# Altium PCB 滑板车模块 - 拼板.PcbDoc (part 7 of 8)
Units mm, origin at the board's own origin, x right, y up, seen from the top; angles counter-clockwise.
Board outline 16 x 13 mm, 2 copper layers (Top Layer, Bottom Layer); 420 components, 26 nets, 2088 pads, 620 vias.
Unrouted connection lines stored in the file: 114.
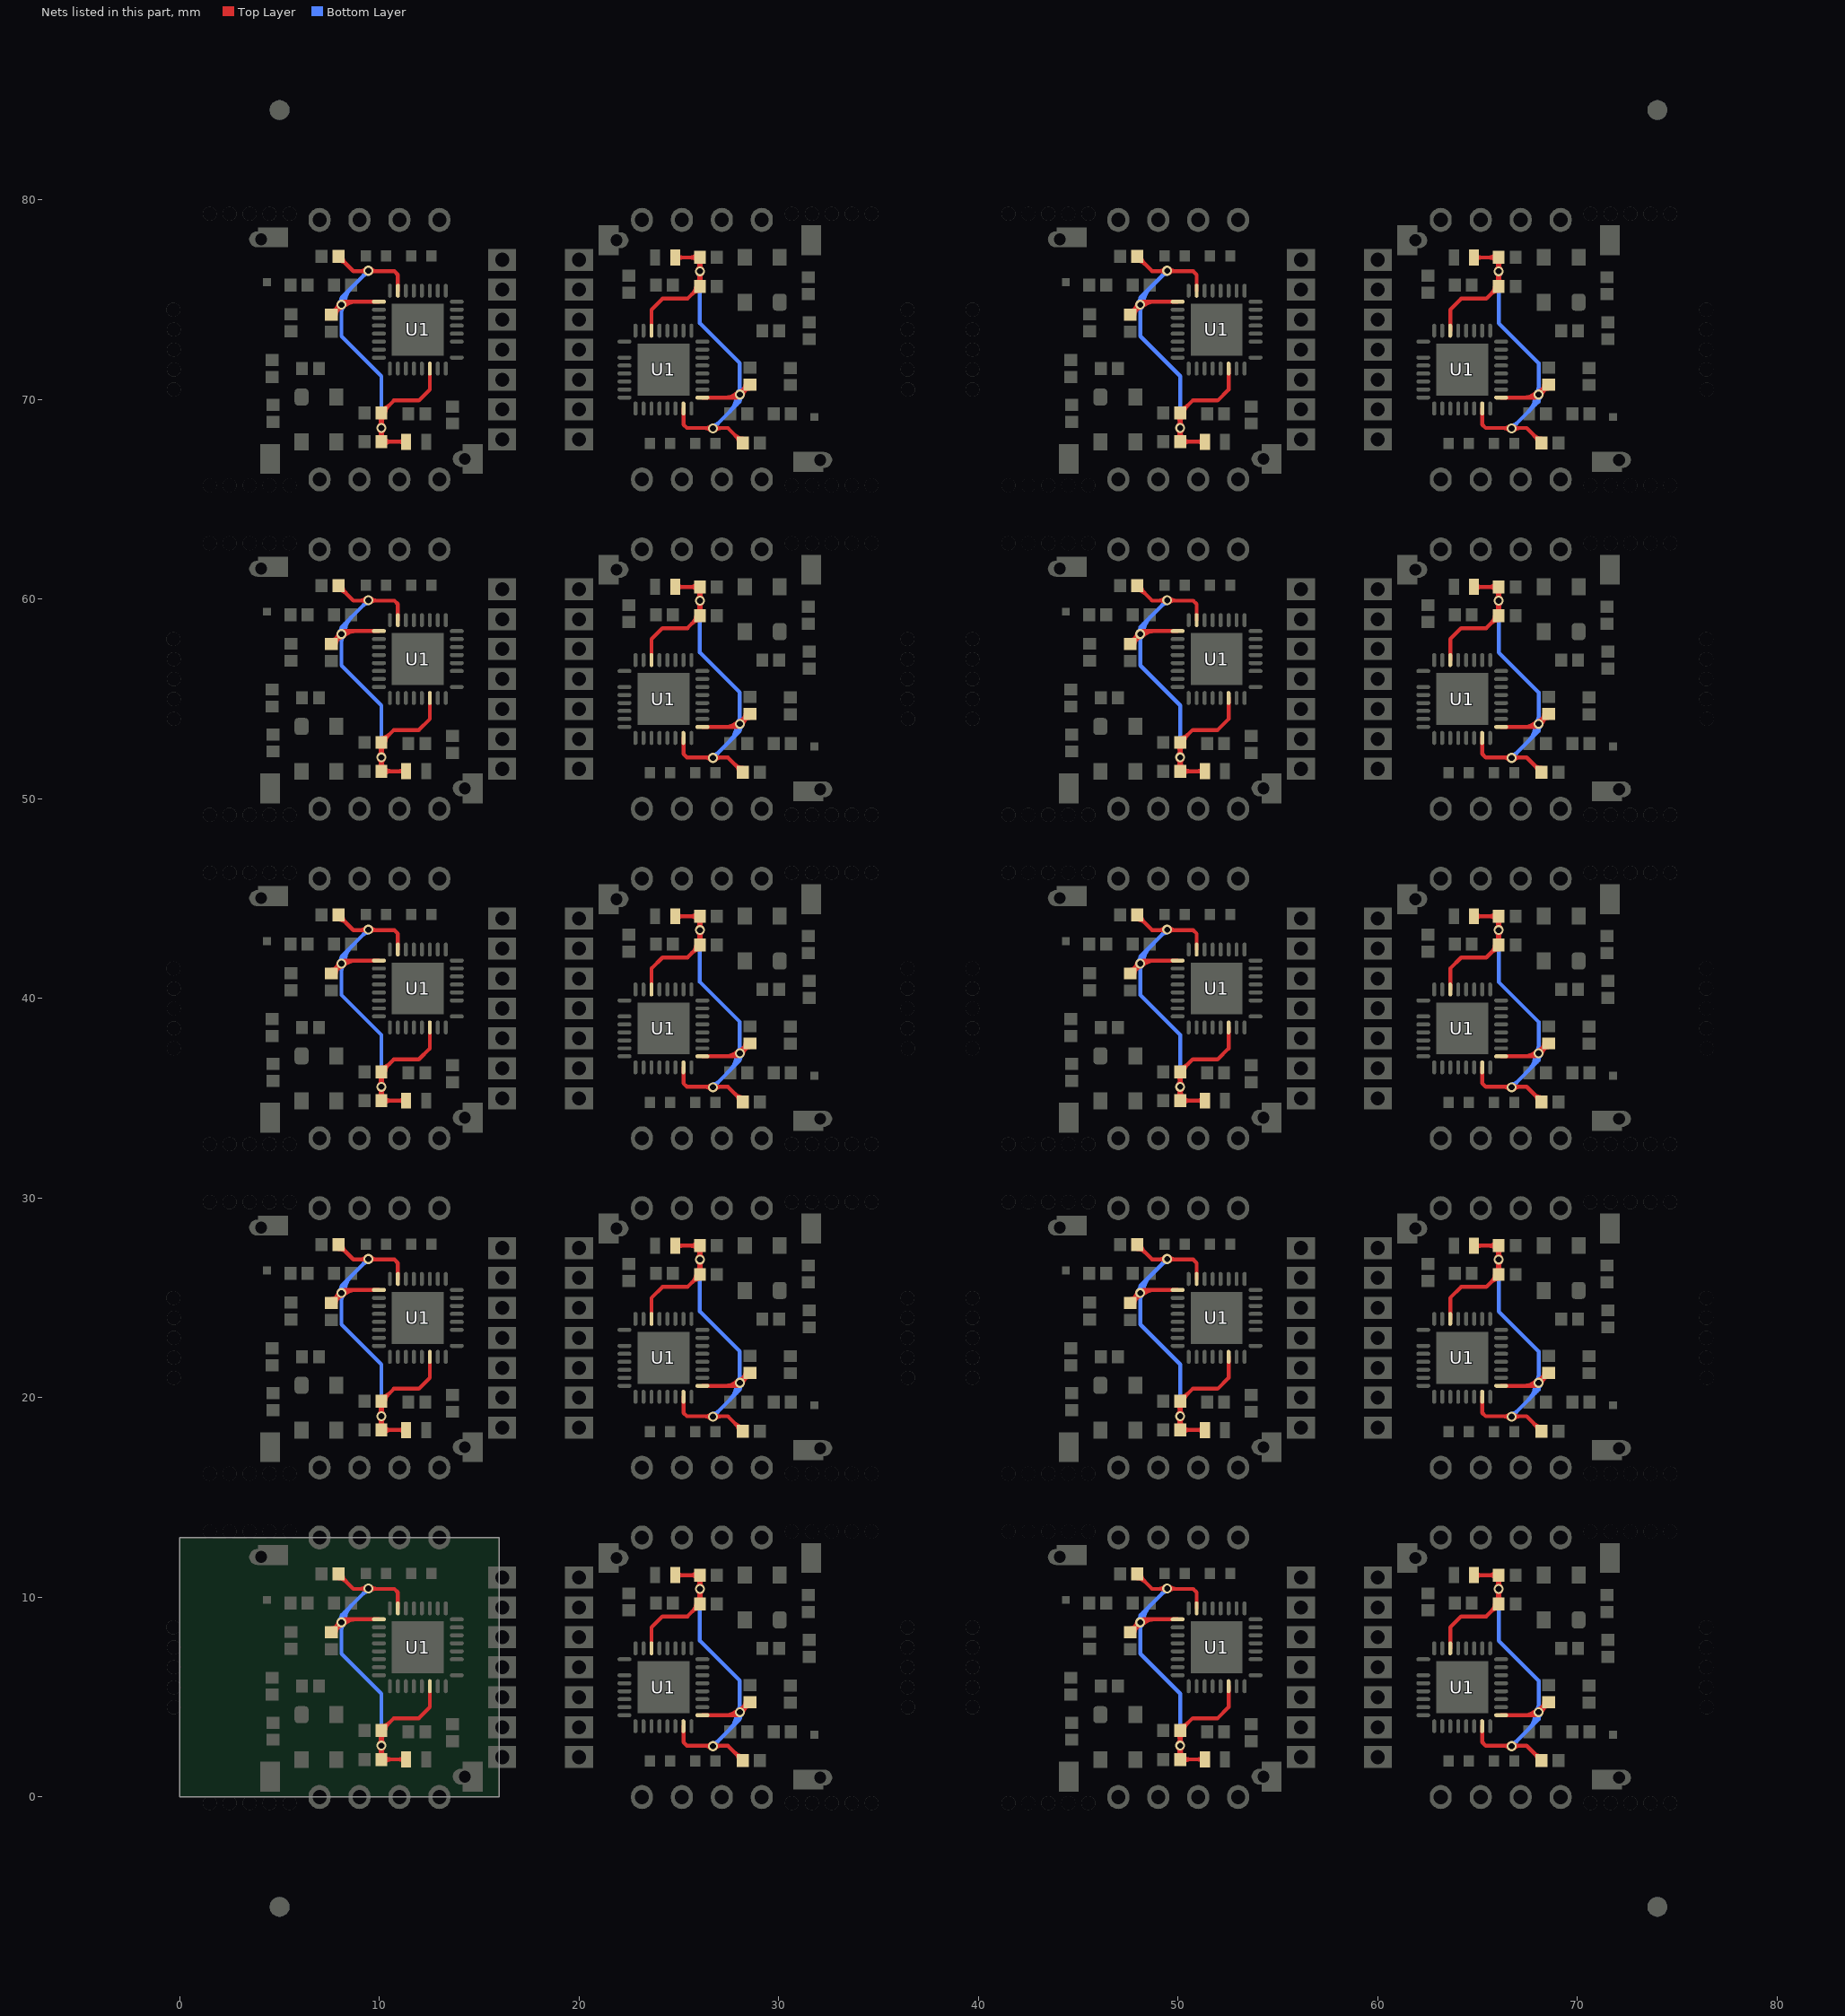
[diagram p7: the nets of this part, all layers, seen from the top]

## Via types
v1: diameter 0.5, hole 0.3, Top Layer to Bottom Layer, tented both sides, 620 vias

## Nets (pads, with @x,y where several pads share a name; then routed paths per layer and width w, separated by ;. In a path a pad name is that pad's centre, name@x,y a point inside that pad or via, vN(x,y) a via of type N, cw(c..) or ccw(c..) an arc to the next point about the centre after c; other vN are vias at no path point) (continued)
VD1V5: C1.2 C5.2 C10.1 C12.1 L1.2 U1.7 U1.9 U1.22 | length 757.2
  Top Layer w0.2: C10.1@7.6,8.25 v1(8.1,8.75) 8.25,8.9 U1.9@9.975,8.9 ; C10.1@7.6,24.75 v1(8.1,25.25) 8.25,25.4 U1.9@9.975,25.4 ; C10.1@7.6,41.25 v1(8.1,41.75) 8.25,41.9 U1.9@9.975,41.9 ; C10.1@7.6,57.75 v1(8.1,58.25) 8.25,58.4 U1.9@9.975,58.4 ; C10.1@7.6,74.25 v1(8.1,74.75) 8.25,74.9 U1.9@9.975,74.9 ; C10.1@7.625,8.45 ccw(c7.625,8.872) v1@7.924,8.574 ; C10.1@7.625,24.95 ccw(c7.625,25.372) v1@7.924,25.074 ; C10.1@7.625,41.45 ccw(c7.625,41.872) v1@7.924,41.574 ; C10.1@7.625,57.95 ccw(c7.625,58.372) v1@7.924,58.074 ; C10.1@7.625,74.45 ccw(c7.625,74.872) v1@7.924,74.574 ; C10.1@7.702,8.446 ccw(c7.436,8.907) v1@7.954,8.784 ; C10.1@7.702,24.946 ccw(c7.436,25.407) v1@7.954,25.284 ; C10.1@7.702,41.446 ccw(c7.436,41.907) v1@7.954,41.784 ; C10.1@7.702,57.946 ccw(c7.436,58.407) v1@7.954,58.284 ; C10.1@7.702,74.446 ccw(c7.436,74.907) v1@7.954,74.784 ; C10.1@7.825,8.25 cw(c8.368,8.25) v1@7.984,8.634 ; C10.1@7.825,24.75 cw(c8.368,24.75) v1@7.984,25.134 ; C10.1@7.825,41.25 cw(c8.368,41.25) v1@7.984,41.634 ; C10.1@7.825,57.75 cw(c8.368,57.75) v1@7.984,58.134 ; C10.1@7.825,74.25 cw(c8.368,74.25) v1@7.984,74.634 ; C10.1@7.831,8.369 cw(c8.269,8.117) v1@8.139,8.605 ; C10.1@7.831,24.869 cw(c8.269,24.617) v1@8.139,25.105 ; C10.1@7.831,41.369 cw(c8.269,41.117) v1@8.139,41.605 ; C10.1@7.831,57.869 cw(c8.269,57.617) v1@8.139,58.105 ; C10.1@7.831,74.369 cw(c8.269,74.117) v1@8.139,74.605 ; 7.933,8.546 ccw(c7.745,8.655) v1@7.955,8.711 ; 7.933,25.046 ccw(c7.745,25.155) v1@7.955,25.211 ; 7.933,41.546 ccw(c7.745,41.655) v1@7.955,41.711 ; 7.933,58.046 ccw(c7.745,58.155) v1@7.955,58.211 ; 7.933,74.546 ccw(c7.745,74.655) v1@7.955,74.711 ; v1@7.95,8.75 cw(c7.588,8.75) 7.844,8.494 cw(c8.1,8.238) v1@8.1,8.6 ; C12.1@7.95,10.95 cw(c7.95,10.407) 8.334,10.791 ; C12.1@7.95,11.175 8.7,10.425 10.75,10.425 10.925,10.25 U1.7@10.925,9.45 ; v1@7.95,25.25 cw(c7.588,25.25) 7.844,24.994 cw(c8.1,24.738) v1@8.1,25.1 ; C12.1@7.95,27.45 cw(c7.95,26.907) 8.334,27.291 ; C12.1@7.95,27.675 8.7,26.925 10.75,26.925 10.925,26.75 U1.7@10.925,25.95 ; v1@7.95,41.75 cw(c7.588,41.75) 7.844,41.494 cw(c8.1,41.238) v1@8.1,41.6 ; C12.1@7.95,43.95 cw(c7.95,43.407) 8.334,43.791 ; C12.1@7.95,44.175 8.7,43.425 10.75,43.425 10.925,43.25 U1.7@10.925,42.45 ; v1@7.95,58.25 cw(c7.588,58.25) 7.844,57.994 cw(c8.1,57.738) v1@8.1,58.1 ; C12.1@7.95,60.45 cw(c7.95,59.907) 8.334,60.291 ; C12.1@7.95,60.675 8.7,59.925 10.75,59.925 10.925,59.75 U1.7@10.925,58.95 ; v1@7.95,74.75 cw(c7.588,74.75) 7.844,74.494 cw(c8.1,74.238) v1@8.1,74.6 ; C12.1@7.95,76.95 cw(c7.95,76.407) 8.334,76.791 ; C12.1@7.95,77.175 8.7,76.425 10.75,76.425 10.925,76.25 U1.7@10.925,75.45 ; v1@8.065,8.785 cw(c8.341,8.509) 8.341,8.9 ; v1@8.065,25.285 cw(c8.341,25.009) 8.341,25.4 ; v1@8.065,41.785 cw(c8.341,41.509) 8.341,41.9 ; v1@8.065,58.285 cw(c8.341,58.009) 8.341,58.4 ; v1@8.065,74.785 cw(c8.341,74.509) 8.341,74.9 ; C12.1@8.15,11.15 ccw(c8.572,11.15) 8.274,10.851 ; C12.1@8.15,27.65 ccw(c8.572,27.65) 8.274,27.351 ; C12.1@8.15,44.15 ccw(c8.572,44.15) 8.274,43.851 ; C12.1@8.15,60.65 ccw(c8.572,60.65) 8.274,60.351 ; C12.1@8.15,77.15 ccw(c8.572,77.15) 8.274,76.851 ; v1@8.206,8.644 cw(c8.824,8.026) 8.824,8.9 ; v1@8.206,25.144 cw(c8.824,24.526) 8.824,25.4 ; v1@8.206,41.644 cw(c8.824,41.026) 8.824,41.9 ; v1@8.206,58.144 cw(c8.824,57.526) 8.824,58.4 ; v1@8.206,74.644 cw(c8.824,74.026) 8.824,74.9 ; 9.028,10.425 ccw(c9.028,10.872) v1@9.344,10.556 ; 9.028,26.925 ccw(c9.028,27.372) v1@9.344,27.056 ; 9.028,43.425 ccw(c9.028,43.872) v1@9.344,43.556 ; 9.028,59.925 ccw(c9.028,60.372) v1@9.344,60.056 ; 9.028,76.425 ccw(c9.028,76.872) v1@9.344,76.556 ; 9.148,10.425 cw(c9.148,10.148) v1@9.344,10.344 ; 9.148,26.925 cw(c9.148,26.648) v1@9.344,26.844 ; 9.148,43.425 cw(c9.148,43.148) v1@9.344,43.344 ; 9.148,59.925 cw(c9.148,59.648) v1@9.344,59.844 ; 9.148,76.425 cw(c9.148,76.148) v1@9.344,76.344 ; v1@9.556,10.344 cw(c9.752,10.148) 9.752,10.425 ; v1@9.556,10.556 ccw(c9.872,10.872) 9.872,10.425 ; v1@9.556,26.844 cw(c9.752,26.648) 9.752,26.925 ; v1@9.556,27.056 ccw(c9.872,27.372) 9.872,26.925 ; v1@9.556,43.344 cw(c9.752,43.148) 9.752,43.425 ; v1@9.556,43.556 ccw(c9.872,43.872) 9.872,43.425 ; v1@9.556,59.844 cw(c9.752,59.648) 9.752,59.925 ; v1@9.556,60.056 ccw(c9.872,60.372) 9.872,59.925 ; v1@9.556,76.344 cw(c9.752,76.148) 9.752,76.425 ; v1@9.556,76.556 ccw(c9.872,76.872) 9.872,76.425 ; C1.2@9.959,2.051 ccw(c9.617,2.393) 10.1,2.393 ccw(c10.583,2.393) C1.2@10.241,2.051 ; C5.2@9.959,3.159 cw(c9.617,2.817) 10.1,2.817 cw(c10.583,2.817) C5.2@10.241,3.159 ; C1.2@9.959,18.551 ccw(c9.617,18.893) 10.1,18.893 ccw(c10.583,18.893) C1.2@10.241,18.551 ; C5.2@9.959,19.659 cw(c9.617,19.317) 10.1,19.317 cw(c10.583,19.317) C5.2@10.241,19.659 ; C1.2@9.959,35.051 ccw(c9.617,35.393) 10.1,35.393 ccw(c10.583,35.393) C1.2@10.241,35.051 ; C5.2@9.959,36.159 cw(c9.617,35.817) 10.1,35.817 cw(c10.583,35.817) C5.2@10.241,36.159 ; C1.2@9.959,51.551 ccw(c9.617,51.893) 10.1,51.893 ccw(c10.583,51.893) C1.2@10.241,51.551 ; C5.2@9.959,52.659 cw(c9.617,52.317) 10.1,52.317 cw(c10.583,52.317) C5.2@10.241,52.659 ; C1.2@9.959,68.051 ccw(c9.617,68.393) 10.1,68.393 ccw(c10.583,68.393) C1.2@10.241,68.051 ; C5.2@9.959,69.159 cw(c9.617,68.817) 10.1,68.817 cw(c10.583,68.817) C5.2@10.241,69.159 ; v1@9.992,2.679 ccw(c9.786,2.879) 10.063,2.954 ; v1@9.992,19.179 ccw(c9.786,19.379) 10.063,19.454 ; v1@9.992,35.679 ccw(c9.786,35.879) 10.063,35.954 ; v1@9.992,52.179 ccw(c9.786,52.379) 10.063,52.454 ; v1@9.992,68.679 ccw(c9.786,68.879) 10.063,68.954 ; v1@9.994,2.469 cw(c9.738,2.213) 10.1,2.213 cw(c10.462,2.213) v1@10.206,2.469 ; v1@9.993,2.47 cw(c9.816,2.295) 10.056,2.23 ; v1@9.994,2.681 ccw(c9.738,2.937) 10.1,2.937 ccw(c10.462,2.937) v1@10.206,2.681 ; v1@9.994,18.969 cw(c9.738,18.713) 10.1,18.713 cw(c10.462,18.713) v1@10.206,18.969 ; v1@9.993,18.97 cw(c9.816,18.795) 10.056,18.73 ; v1@9.994,19.181 ccw(c9.738,19.437) 10.1,19.437 ccw(c10.462,19.437) v1@10.206,19.181 ; v1@9.994,35.469 cw(c9.738,35.213) 10.1,35.213 cw(c10.462,35.213) v1@10.206,35.469 ; v1@9.993,35.47 cw(c9.816,35.295) 10.056,35.23 ; v1@9.994,35.681 ccw(c9.738,35.937) 10.1,35.937 ccw(c10.462,35.937) v1@10.206,35.681 ; v1@9.994,51.969 cw(c9.738,51.713) 10.1,51.713 cw(c10.462,51.713) v1@10.206,51.969 ; v1@9.993,51.97 cw(c9.816,51.795) 10.056,51.73 ; v1@9.994,52.181 ccw(c9.738,52.437) 10.1,52.437 ccw(c10.462,52.437) v1@10.206,52.181 ; v1@9.994,68.681 ccw(c9.738,68.937) 10.1,68.937 ccw(c10.462,68.937) v1@10.206,68.681 ; v1@10.025,2.445 cw(c9.924,2.271) 10.119,2.323 ; v1@10.025,18.945 cw(c9.924,18.771) 10.119,18.823 ; v1@10.025,35.445 cw(c9.924,35.271) 10.119,35.323 ; v1@10.025,51.945 cw(c9.924,51.771) 10.119,51.823 ; v1@10.025,68.445 cw(c9.924,68.271) 10.119,68.323 ; 10.056,68.23 ccw(c9.816,68.295) 9.993,68.47 cw(c9.738,68.213) 10.1,68.213 cw(c10.462,68.213) v1@10.206,68.469 ; 10.081,2.323 cw(c10.276,2.271) v1@10.175,2.445 ; 10.081,18.823 cw(c10.276,18.771) v1@10.175,18.945 ; 10.081,35.323 cw(c10.276,35.271) v1@10.175,35.445 ; 10.081,51.823 cw(c10.276,51.771) v1@10.175,51.945 ; 10.081,68.323 cw(c10.276,68.271) v1@10.175,68.445 ; C5.2@10.1,3.55 ccw(c10.1,4.093) 10.484,3.709 ; C5.2@10.1,20.05 ccw(c10.1,20.593) 10.484,20.209 ; C5.2@10.1,36.55 ccw(c10.1,37.093) 10.484,36.709 ; C5.2@10.1,53.05 ccw(c10.1,53.593) 10.484,53.209 ; C5.2@10.1,69.55 ccw(c10.1,70.093) 10.484,69.709 ; 10.137,2.954 ccw(c10.414,2.879) v1@10.208,2.679 ; 10.137,19.454 ccw(c10.414,19.379) v1@10.208,19.179 ; 10.137,35.954 ccw(c10.414,35.879) v1@10.208,35.679 ; 10.137,52.454 ccw(c10.414,52.379) v1@10.208,52.179 ; 10.137,68.954 ccw(c10.414,68.879) v1@10.208,68.679 ; 10.144,2.23 cw(c10.384,2.295) v1@10.207,2.47 ; 10.144,18.73 cw(c10.384,18.795) v1@10.207,18.97 ; 10.144,35.23 cw(c10.384,35.295) v1@10.207,35.47 ; 10.144,51.73 cw(c10.384,51.795) v1@10.207,51.97 ; 10.144,68.23 cw(c10.384,68.295) v1@10.207,68.47 ; C1.2@10.241,1.744 cw(c10.583,1.402) 10.583,1.885 cw(c10.583,2.368) C1.2@10.241,2.026 ; C1.2@10.241,18.244 cw(c10.583,17.902) 10.583,18.385 cw(c10.583,18.868) C1.2@10.241,18.526 ; C1.2@10.241,34.744 cw(c10.583,34.402) 10.583,34.885 cw(c10.583,35.368) C1.2@10.241,35.026 ; C1.2@10.241,51.244 cw(c10.583,50.902) 10.583,51.385 cw(c10.583,51.868) C1.2@10.241,51.526 ; C1.2@10.241,67.744 cw(c10.583,67.402) 10.583,67.885 cw(c10.583,68.368) C1.2@10.241,68.026 ; C5.2@10.3,3.35 cw(c10.722,3.35) 10.424,3.649 ; C5.2@10.3,19.85 cw(c10.722,19.85) 10.424,20.149 ; C5.2@10.3,36.35 cw(c10.722,36.35) 10.424,36.649 ; C5.2@10.3,52.85 cw(c10.722,52.85) 10.424,53.149 ; C5.2@10.3,69.35 cw(c10.722,69.35) 10.424,69.649 ; L1.2@11.234,1.779 ccw(c10.978,1.523) 10.978,1.885 ccw(c10.978,2.247) L1.2@11.234,1.991 ; L1.2@11.234,18.279 ccw(c10.978,18.023) 10.978,18.385 ccw(c10.978,18.747) L1.2@11.234,18.491 ; L1.2@11.234,34.779 ccw(c10.978,34.523) 10.978,34.885 ccw(c10.978,35.247) L1.2@11.234,34.991 ; L1.2@11.234,51.279 ccw(c10.978,51.023) 10.978,51.385 ccw(c10.978,51.747) L1.2@11.234,51.491 ; L1.2@11.234,67.779 ccw(c10.978,67.523) 10.978,67.885 ccw(c10.978,68.247) L1.2@11.234,67.991 ; L1.2@11.34,1.885 C1.2@10.1,1.885 C5.2@10.1,3.325 10.725,3.95 11.978,3.95 12.525,4.497 U1.22@12.525,5.55 ; L1.2@11.34,18.385 C1.2@10.1,18.385 C5.2@10.1,19.825 10.725,20.45 11.978,20.45 12.525,20.997 U1.22@12.525,22.05 ; L1.2@11.34,34.885 C1.2@10.1,34.885 C5.2@10.1,36.325 10.725,36.95 11.978,36.95 12.525,37.497 U1.22@12.525,38.55 ; L1.2@11.34,51.385 C1.2@10.1,51.385 C5.2@10.1,52.825 10.725,53.45 11.978,53.45 12.525,53.997 U1.22@12.525,55.05 ; L1.2@11.34,67.885 C1.2@10.1,67.885 C5.2@10.1,69.325 10.725,69.95 11.978,69.95 12.525,70.497 U1.22@12.525,71.55 ; U1.22@23.625,7.45 23.625,8.503 24.172,9.05 25.425,9.05 C5.2@26.05,9.675 C1.2@26.05,11.115 L1.2@24.81,11.115 ; U1.22@23.625,23.95 23.625,25.003 24.172,25.55 25.425,25.55 C5.2@26.05,26.175 C1.2@26.05,27.615 L1.2@24.81,27.615 ; U1.22@23.625,40.45 23.625,41.503 24.172,42.05 25.425,42.05 C5.2@26.05,42.675 C1.2@26.05,44.115 L1.2@24.81,44.115 ; U1.22@23.625,56.95 23.625,58.003 24.172,58.55 25.425,58.55 C5.2@26.05,59.175 C1.2@26.05,60.615 L1.2@24.81,60.615 ; U1.22@23.625,73.45 23.625,74.503 24.172,75.05 25.425,75.05 C5.2@26.05,75.675 C1.2@26.05,77.115 L1.2@24.81,77.115 ; L1.2@24.916,11.009 cw(c25.172,10.753) 25.172,11.115 ; L1.2@24.916,11.221 ccw(c25.172,11.477) 25.172,11.115 ; L1.2@24.916,27.509 cw(c25.172,27.253) 25.172,27.615 ; L1.2@24.916,27.721 ccw(c25.172,27.977) 25.172,27.615 ; L1.2@24.916,44.009 cw(c25.172,43.753) 25.172,44.115 ; L1.2@24.916,44.221 ccw(c25.172,44.477) 25.172,44.115 ; L1.2@24.916,60.509 cw(c25.172,60.253) 25.172,60.615 ; L1.2@24.916,60.721 ccw(c25.172,60.977) 25.172,60.615 ; L1.2@24.916,77.009 cw(c25.172,76.753) 25.172,77.115 ; L1.2@24.916,77.221 ccw(c25.172,77.477) 25.172,77.115 ; U1.7@25.225,3.55 25.225,2.75 25.4,2.575 27.45,2.575 C12.1@28.2,1.825 ; U1.7@25.225,20.05 25.225,19.25 25.4,19.075 27.45,19.075 C12.1@28.2,18.325 ; U1.7@25.225,36.55 25.225,35.75 25.4,35.575 27.45,35.575 C12.1@28.2,34.825 ; U1.7@25.225,53.05 25.225,52.25 25.4,52.075 27.45,52.075 C12.1@28.2,51.325 ; U1.7@25.225,69.55 25.225,68.75 25.4,68.575 27.45,68.575 C12.1@28.2,67.825 ; 25.666,9.291 cw(c26.05,8.907) C5.2@26.05,9.45 ; 25.666,25.791 cw(c26.05,25.407) C5.2@26.05,25.95 ; 25.666,42.291 cw(c26.05,41.907) C5.2@26.05,42.45 ; 25.666,58.791 cw(c26.05,58.407) C5.2@26.05,58.95 ; 25.666,75.291 cw(c26.05,74.907) C5.2@26.05,75.45 ; 25.726,9.351 ccw(c25.428,9.65) C5.2@25.85,9.65 ; 25.726,25.851 ccw(c25.428,26.15) C5.2@25.85,26.15 ; 25.726,42.351 ccw(c25.428,42.65) C5.2@25.85,42.65 ; 25.726,58.851 ccw(c25.428,59.15) C5.2@25.85,59.15 ; 25.726,75.351 ccw(c25.428,75.65) C5.2@25.85,75.65 ; C5.2@25.909,9.841 ccw(c25.567,10.183) 26.05,10.183 ccw(c26.533,10.183) C5.2@26.191,9.841 ; C1.2@25.909,10.949 cw(c25.567,10.607) 26.05,10.607 cw(c26.533,10.607) C1.2@26.191,10.949 ; C1.2@25.909,10.974 ccw(c25.567,10.632) 25.567,11.115 ccw(c25.567,11.598) C1.2@25.909,11.256 ; C5.2@25.909,26.341 ccw(c25.567,26.683) 26.05,26.683 ccw(c26.533,26.683) C5.2@26.191,26.341 ; C1.2@25.909,27.449 cw(c25.567,27.107) 26.05,27.107 cw(c26.533,27.107) C1.2@26.191,27.449 ; C1.2@25.909,27.474 ccw(c25.567,27.132) 25.567,27.615 ccw(c25.567,28.098) C1.2@25.909,27.756 ; C5.2@25.909,42.841 ccw(c25.567,43.183) 26.05,43.183 ccw(c26.533,43.183) C5.2@26.191,42.841 ; C1.2@25.909,43.949 cw(c25.567,43.607) 26.05,43.607 cw(c26.533,43.607) C1.2@26.191,43.949 ; C1.2@25.909,43.974 ccw(c25.567,43.632) 25.567,44.115 ccw(c25.567,44.598) C1.2@25.909,44.256 ; C5.2@25.909,59.341 ccw(c25.567,59.683) 26.05,59.683 ccw(c26.533,59.683) C5.2@26.191,59.341 ; C1.2@25.909,60.449 cw(c25.567,60.107) 26.05,60.107 cw(c26.533,60.107) C1.2@26.191,60.449 ; C1.2@25.909,60.474 ccw(c25.567,60.132) 25.567,60.615 ccw(c25.567,61.098) C1.2@25.909,60.756 ; C5.2@25.909,75.841 ccw(c25.567,76.183) 26.05,76.183 ccw(c26.533,76.183) C5.2@26.191,75.841 ; C1.2@25.909,76.949 cw(c25.567,76.607) 26.05,76.607 cw(c26.533,76.607) C1.2@26.191,76.949 ; C1.2@25.909,76.974 ccw(c25.567,76.632) 25.567,77.115 ccw(c25.567,77.598) C1.2@25.909,77.256 ; v1@25.942,10.321 cw(c25.736,10.121) 26.013,10.046 ; v1@25.942,26.821 cw(c25.736,26.621) 26.013,26.546 ; v1@25.942,43.321 cw(c25.736,43.121) 26.013,43.046 ; v1@25.942,59.821 cw(c25.736,59.621) 26.013,59.546 ; v1@25.942,76.321 cw(c25.736,76.121) 26.013,76.046 ; v1@25.944,10.319 cw(c25.688,10.063) 26.05,10.063 cw(c26.412,10.063) v1@26.156,10.319 ; v1@25.944,26.819 cw(c25.688,26.563) 26.05,26.563 cw(c26.412,26.563) v1@26.156,26.819 ; v1@25.944,43.319 cw(c25.688,43.063) 26.05,43.063 cw(c26.412,43.063) v1@26.156,43.319 ; v1@25.944,59.819 cw(c25.688,59.563) 26.05,59.563 cw(c26.412,59.563) v1@26.156,59.819 ; v1@25.943,60.03 ccw(c25.766,60.205) 26.006,60.27 ; v1@25.944,60.031 ccw(c25.688,60.287) 26.05,60.287 ccw(c26.412,60.287) v1@26.156,60.031 ; v1@25.944,76.319 cw(c25.688,76.063) 26.05,76.063 cw(c26.412,76.063) v1@26.156,76.319 ; v1@25.943,76.53 ccw(c25.766,76.705) 26.006,76.77 ; v1@25.944,76.531 ccw(c25.688,76.787) 26.05,76.787 ccw(c26.412,76.787) v1@26.156,76.531 ; v1@25.975,10.555 ccw(c25.874,10.729) 26.069,10.677 ; v1@25.975,27.055 ccw(c25.874,27.229) 26.069,27.177 ; v1@25.975,43.555 ccw(c25.874,43.729) 26.069,43.677 ; v1@25.975,60.055 ccw(c25.874,60.229) 26.069,60.177 ; v1@25.975,76.555 ccw(c25.874,76.729) 26.069,76.677 ; 26.006,10.77 cw(c25.766,10.705) 25.943,10.53 ccw(c25.688,10.787) 26.05,10.787 ccw(c26.412,10.787) v1@26.156,10.531 ; 26.006,27.27 cw(c25.766,27.205) 25.943,27.03 ccw(c25.688,27.287) 26.05,27.287 ccw(c26.412,27.287) v1@26.156,27.031 ; 26.006,43.77 cw(c25.766,43.705) 25.943,43.53 ccw(c25.688,43.787) 26.05,43.787 ccw(c26.412,43.787) v1@26.156,43.531 ; 26.031,10.677 ccw(c26.226,10.729) v1@26.125,10.555 ; 26.031,27.177 ccw(c26.226,27.229) v1@26.125,27.055 ; 26.031,43.677 ccw(c26.226,43.729) v1@26.125,43.555 ; 26.031,60.177 ccw(c26.226,60.229) v1@26.125,60.055 ; 26.031,76.677 ccw(c26.226,76.729) v1@26.125,76.555 ; 26.087,10.046 cw(c26.364,10.121) v1@26.158,10.321 ; 26.087,26.546 cw(c26.364,26.621) v1@26.158,26.821 ; 26.087,43.046 cw(c26.364,43.121) v1@26.158,43.321 ; 26.087,59.546 cw(c26.364,59.621) v1@26.158,59.821 ; 26.087,76.046 cw(c26.364,76.121) v1@26.158,76.321 ; 26.094,10.77 ccw(c26.334,10.705) v1@26.157,10.53 ; 26.094,27.27 ccw(c26.334,27.205) v1@26.157,27.03 ; 26.094,43.77 ccw(c26.334,43.705) v1@26.157,43.53 ; 26.094,60.27 ccw(c26.334,60.205) v1@26.157,60.03 ; 26.094,76.77 ccw(c26.334,76.705) v1@26.157,76.53 ; U1.9@26.175,4.1 27.9,4.1 v1(28.05,4.25) C10.1@28.55,4.75 ; U1.9@26.175,20.6 27.9,20.6 v1(28.05,20.75) C10.1@28.55,21.25 ; U1.9@26.175,37.1 27.9,37.1 v1(28.05,37.25) C10.1@28.55,37.75 ; U1.9@26.175,53.6 27.9,53.6 v1(28.05,53.75) C10.1@28.55,54.25 ; U1.9@26.175,70.1 27.9,70.1 v1(28.05,70.25) C10.1@28.55,70.75 ; 26.278,2.575 cw(c26.278,2.128) v1@26.594,2.444 ; 26.278,19.075 cw(c26.278,18.628) v1@26.594,18.944 ; 26.278,35.575 cw(c26.278,35.128) v1@26.594,35.444 ; 26.278,52.075 cw(c26.278,51.628) v1@26.594,51.944 ; 26.278,68.575 cw(c26.278,68.128) v1@26.594,68.444 ; 26.398,2.575 ccw(c26.398,2.852) v1@26.594,2.656 ; 26.398,19.075 ccw(c26.398,19.352) v1@26.594,19.156 ; 26.398,35.575 ccw(c26.398,35.852) v1@26.594,35.656 ; 26.398,52.075 ccw(c26.398,52.352) v1@26.594,52.156 ; 26.398,68.575 ccw(c26.398,68.852) v1@26.594,68.656 ; v1@26.806,2.444 cw(c27.122,2.128) 27.122,2.575 ; v1@26.806,2.656 ccw(c27.002,2.852) 27.002,2.575 ; v1@26.806,18.944 cw(c27.122,18.628) 27.122,19.075 ; v1@26.806,19.156 ccw(c27.002,19.352) 27.002,19.075 ; v1@26.806,35.444 cw(c27.122,35.128) 27.122,35.575 ; v1@26.806,35.656 ccw(c27.002,35.852) 27.002,35.575 ; v1@26.806,51.944 cw(c27.122,51.628) 27.122,52.075 ; v1@26.806,52.156 ccw(c27.002,52.352) 27.002,52.075 ; v1@26.806,68.444 cw(c27.122,68.128) 27.122,68.575 ; v1@26.806,68.656 ccw(c27.002,68.852) 27.002,68.575 ; 27.326,4.1 ccw(c27.326,4.974) v1@27.944,4.356 ; 27.326,20.6 ccw(c27.326,21.474) v1@27.944,20.856 ; 27.326,37.1 ccw(c27.326,37.974) v1@27.944,37.356 ; 27.326,53.6 ccw(c27.326,54.474) v1@27.944,53.856 ; 27.326,70.1 ccw(c27.326,70.974) v1@27.944,70.356 ; 27.809,4.1 ccw(c27.809,4.491) v1@28.085,4.215 ; 27.809,20.6 ccw(c27.809,20.991) v1@28.085,20.715 ; 27.809,37.1 ccw(c27.809,37.491) v1@28.085,37.215 ; 27.809,53.6 ccw(c27.809,53.991) v1@28.085,53.715 ; 27.809,70.1 ccw(c27.809,70.491) v1@28.085,70.215 ; 27.816,2.209 ccw(c28.2,2.593) C12.1@28.2,2.05 ; 27.816,18.709 ccw(c28.2,19.093) C12.1@28.2,18.55 ; 27.816,35.209 ccw(c28.2,35.593) C12.1@28.2,35.05 ; 27.816,51.709 ccw(c28.2,52.093) C12.1@28.2,51.55 ; 27.816,68.209 ccw(c28.2,68.593) C12.1@28.2,68.05 ; 27.876,2.149 cw(c27.578,1.85) C12.1@28,1.85 ; 27.876,18.649 cw(c27.578,18.35) C12.1@28,18.35 ; 27.876,35.149 cw(c27.578,34.85) C12.1@28,34.85 ; 27.876,51.649 cw(c27.578,51.35) C12.1@28,51.35 ; 27.876,68.149 cw(c27.578,67.85) C12.1@28,67.85 ; v1@28.011,4.395 ccw(c27.881,4.883) C10.1@28.319,4.631 ; v1@28.011,20.895 ccw(c27.881,21.383) C10.1@28.319,21.131 ; v1@28.011,37.395 ccw(c27.881,37.883) C10.1@28.319,37.631 ; v1@28.011,53.895 ccw(c27.881,54.383) C10.1@28.319,54.131 ; v1@28.011,70.395 ccw(c27.881,70.883) C10.1@28.319,70.631 ; v1@28.05,4.4 ccw(c28.05,4.762) 28.306,4.506 ccw(c28.562,4.25) v1@28.2,4.25 ; v1@28.05,20.9 ccw(c28.05,21.262) 28.306,21.006 ccw(c28.562,20.75) v1@28.2,20.75 ; v1@28.05,37.4 ccw(c28.05,37.762) 28.306,37.506 ccw(c28.562,37.25) v1@28.2,37.25 ; v1@28.05,53.9 ccw(c28.05,54.262) 28.306,54.006 ccw(c28.562,53.75) v1@28.2,53.75 ; v1@28.05,70.4 ccw(c28.05,70.762) 28.306,70.506 ccw(c28.562,70.25) v1@28.2,70.25 ; v1@28.166,4.366 ccw(c27.782,4.75) C10.1@28.325,4.75 ; v1@28.166,20.866 ccw(c27.782,21.25) C10.1@28.325,21.25 ; v1@28.166,37.366 ccw(c27.782,37.75) C10.1@28.325,37.75 ; v1@28.166,53.866 ccw(c27.782,54.25) C10.1@28.325,54.25 ; v1@28.166,70.366 ccw(c27.782,70.75) C10.1@28.325,70.75 ; v1@28.195,4.289 cw(c28.405,4.345) 28.217,4.454 ; v1@28.195,20.789 cw(c28.405,20.845) 28.217,20.954 ; v1@28.195,37.289 cw(c28.405,37.345) 28.217,37.454 ; v1@28.195,53.789 cw(c28.405,53.845) 28.217,53.954 ; v1@28.195,70.289 cw(c28.405,70.345) 28.217,70.454 ; v1@28.196,4.216 cw(c28.714,4.093) C10.1@28.448,4.554 ; v1@28.196,20.716 cw(c28.714,20.593) C10.1@28.448,21.054 ; v1@28.196,37.216 cw(c28.714,37.093) C10.1@28.448,37.554 ; v1@28.196,53.716 cw(c28.714,53.593) C10.1@28.448,54.054 ; v1@28.196,70.216 cw(c28.714,70.093) C10.1@28.448,70.554 ; v1@28.226,4.426 cw(c28.525,4.128) C10.1@28.525,4.55 ; v1@28.226,20.926 cw(c28.525,20.628) C10.1@28.525,21.05 ; v1@28.226,37.426 cw(c28.525,37.128) C10.1@28.525,37.55 ; v1@28.226,53.926 cw(c28.525,53.628) C10.1@28.525,54.05 ; v1@28.226,70.426 cw(c28.525,70.128) C10.1@28.525,70.55 ; C10.1@47.6,8.25 v1(48.1,8.75) 48.25,8.9 U1.9@49.975,8.9 ; C10.1@47.6,24.75 v1(48.1,25.25) 48.25,25.4 U1.9@49.975,25.4 ; C10.1@47.6,41.25 v1(48.1,41.75) 48.25,41.9 U1.9@49.975,41.9 ; C10.1@47.6,57.75 v1(48.1,58.25) 48.25,58.4 U1.9@49.975,58.4 ; C10.1@47.6,74.25 v1(48.1,74.75) 48.25,74.9 U1.9@49.975,74.9 ; C10.1@47.625,8.45 ccw(c47.625,8.872) v1@47.924,8.574 ; C10.1@47.625,24.95 ccw(c47.625,25.372) v1@47.924,25.074 ; C10.1@47.625,41.45 ccw(c47.625,41.872) v1@47.924,41.574 ; C10.1@47.625,57.95 ccw(c47.625,58.372) v1@47.924,58.074 ; C10.1@47.625,74.45 ccw(c47.625,74.872) v1@47.924,74.574 